# KiCad board vme-wren.kicad_pcb (continued)
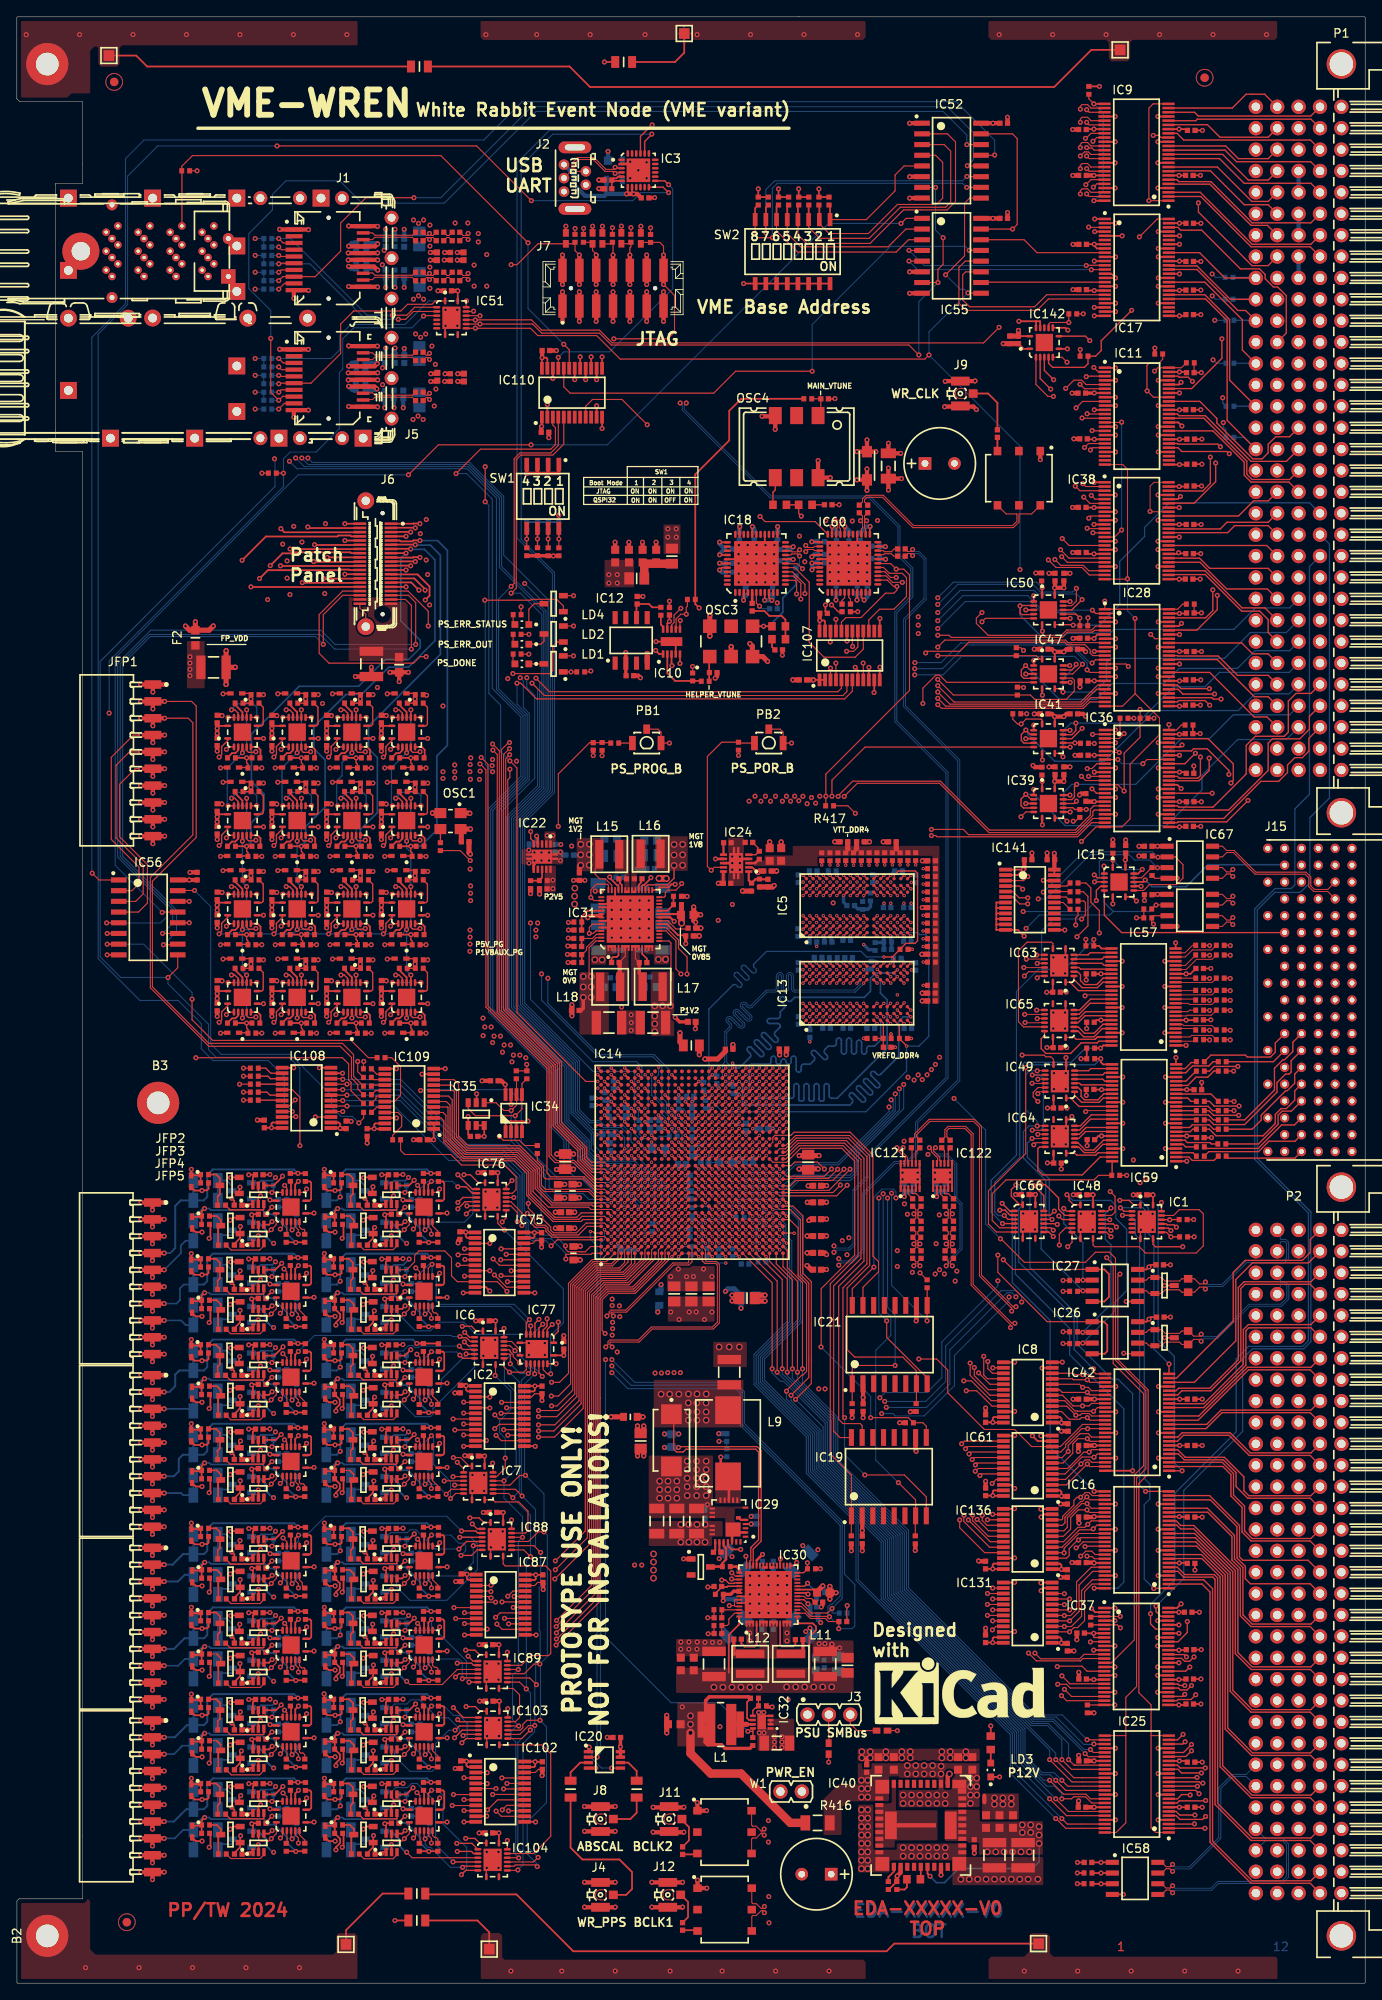
[diagram p0: board, top side]
## Routing (per net, layer and track width the routed paths; a pad name or vN(x,y) marks a point on that pad's centre or on a via; arc(x,y) is an arc through that point) (continued)
/FP_IO23: length 50.2
  Top Layer w0.2: R359.2 49.99,35.96 R360.2 ; v2(37.9,36.13) 37.9,36.44 38.35,36.9 38.35,37.48 R364.2 37.75,38.09 R368.1 ; R368.1 37.66,38.99 D56.1 ; R368.1 37.75,39.61 v2(38.1,39.97)
  Top Layer w0.5: JFP4.10 v2(16.1,32.79) ; JFP4.10 v2(17.5,33.69) ; JFP4.10 v2(14.75,33.69)
  L5 w0.2: v2(37.9,36.13) 36.93,35.17 29.7,35.17 28.87,34.34 24.9,34.34 24.25,33.69 v2(17.5,33.69)
  Bottom Layer w0.2: R366.2 R471.2 36.77,38.85 37.88,39.97 v2(38.1,39.97) 38.66,39.97 38.85,39.78 44.82,39.78 45.34,39.26 46.26,39.26 47.93,37.59 47.93,36.94 v2(48.93,35.94)
/FP_IO24: length 31.8
  Top Layer w0.2: R375.2 34.26,33.84 R376.2 ; v2(20.73,34.32) 20.72,34.31 D59.1 21.75,33.62 R381.1 R377.2
  Top Layer w0.5: JFP5.2 v2(14.75,29.19) ; JFP5.2 v2(16.1,28.29) ; JFP5.2 v2(17.5,29.19)
  Bottom Layer w0.2: R500.2 20.97,33.3 20.73,33.54 v2(20.73,34.32)
  Bottom Layer w0.23: v2(17.5,29.19) 18.75,29.19 20.21,30.64 R501.2 ; v2(33.39,33.84) 32.92,34.31 23.28,34.31 22.62,33.64 22.62,31.04 22.22,30.64 R501.2 ; R501.2 R500.2
/FP_IO25: length 30.3
  Top Layer w0.2: v2(22.3,29.67) 21.95,29.31 R382.1 ; R382.1 21.86,28.69 D60.1 ; R382.1 21.95,27.79 R378.2 ; R373.2 34.19,25.66 R374.2
  Top Layer w0.5: JFP5.3 v2(14.75,27.19) ; JFP5.3 v2(16.1,26.29) ; JFP5.3 v2(17.5,27.19)
  Bottom Layer w0.2: R472.2 R380.2 ; R380.2 19.66,28.19 18.65,27.19 v2(17.5,27.19) ; R380.2 20.97,28.55 22.08,29.67 v2(22.3,29.67) 22.86,29.67 23.05,29.48 29,29.48 29.43,29.05 30.37,29.05 32.13,27.29 32.13,26.64 v2(33.13,25.64)
/FP_IO26: length 51.8
  Top Layer w0.2: R436.2 R440.1 37.55,33.62 D73.1 36.52,34.33 v2(36.49,34.35) ; R435.2 50.06,33.84 R434.2
  Top Layer w0.5: JFP5.4 v2(17.5,25.19) ; JFP5.4 v2(14.75,25.19) ; JFP5.4 v2(16.1,24.29)
  L5 w0.2: v2(17.5,25.19) 19.5,25.19 21.41,27.1 21.41,27.65 23.25,29.49 29.6,29.49 29.95,29.14 34.25,29.14 35.03,29.91 35.37,29.91 36.5,31.04 v2(38.42,31.04)
  Bottom Layer w0.2: R506.2 36.77,34.09 36.51,34.35 v2(36.49,34.35)
  Bottom Layer w0.23: R506.2 R507.2 38.02,30.64 v2(38.42,31.04) 38.42,33.64 39.08,34.31 48.72,34.31 v2(49.19,33.84)
/FP_IO27: length 50.3
  Top Layer w0.2: D74.1 37.66,28.69 R441.1 ; R441.1 37.75,29.31 v2(38.1,29.67) ; R441.1 37.75,27.79 R437.2 38.37,27.16 38.37,26.62 37.9,26.14 v2(37.9,25.83) ; R432.2 49.99,25.66 R433.2
  Top Layer w0.5: JFP5.5 v2(16.1,22.29) ; JFP5.5 v2(17.5,23.19) ; JFP5.5 v2(14.75,23.19)
  L5 w0.2: v2(37.9,25.83) 36.93,24.86 21.83,24.86 20.16,23.19 v2(17.5,23.19)
  Bottom Layer w0.2: R475.2 R439.2 36.77,28.55 37.88,29.67 v2(38.1,29.67) 38.66,29.67 38.85,29.48 44.74,29.48 45.23,28.99 46.23,28.99 47.93,27.29 47.93,26.64 v2(48.93,25.64)
/FP_IO28: length 31.8
  Top Layer w0.2: v2(20.73,24.32) 20.72,24.31 D63.1 21.75,23.62 R412.1 R408.2 ; R407.2 34.26,23.84 R406.2
  Top Layer w0.5: JFP5.7 v2(17.5,19.19) ; JFP5.7 v2(14.75,19.19) ; JFP5.7 v2(16.1,18.29)
  Bottom Layer w0.2: v2(20.73,24.32) 20.73,23.54 20.97,23.3 R502.2
  Bottom Layer w0.23: R503.2 R502.2 ; R503.2 20.11,20.64 18.65,19.19 v2(17.5,19.19) ; R503.2 22.22,20.64 22.62,21.04 22.62,23.64 23.28,24.31 32.92,24.31 v2(33.39,23.84)
/FP_IO29: length 30.3
  Top Layer w0.2: R409.2 21.95,17.79 R413.1 ; R405.2 34.19,15.66 R404.2 ; D64.1 21.86,18.69 R413.1 ; R413.1 21.95,19.31 v2(22.3,19.67)
  Top Layer w0.5: JFP5.8 v2(17.5,17.19) ; JFP5.8 v2(16.1,16.29) ; JFP5.8 v2(14.75,17.19)
  Bottom Layer w0.2: v2(17.5,17.19) 18.75,17.19 19.76,18.19 R411.2 ; v2(33.13,15.64) 32.13,16.64 32.13,17.29 30.59,18.83 30.03,18.83 29.38,19.48 23.05,19.48 22.86,19.67 v2(22.3,19.67) 22.08,19.67 20.97,18.55 R411.2 ; R473.2 R411.2
/FP_IO30: length 51
  Top Layer w0.2: R421.2 50.06,23.84 R420.2 ; v2(36.53,24.32) 36.52,24.31 D69.1 37.55,23.62 R426.1 R422.2
  Top Layer w0.5: JFP5.9 v2(14.75,15.19) ; JFP5.9 v2(16.1,14.29) ; JFP5.9 v2(17.5,15.19)
  L5 w0.2: v2(38.42,21.04) 34.21,21.04 32.2,19.04 30.26,19.04 26.91,15.69 18,15.69 v2(17.5,15.19)
  Bottom Layer w0.2: R505.2 36.77,23.3 36.53,23.54 v2(36.53,24.32)
  Bottom Layer w0.23: v2(49.19,23.84) 48.72,24.31 39.08,24.31 38.42,23.64 v2(38.42,21.04) 38.02,20.64 R504.2 R505.2
/FP_IO31: length 50.3
  Top Layer w0.2: D70.1 37.66,18.69 R427.1 ; R427.1 37.75,19.31 v2(38.1,19.67) ; R427.1 37.75,17.79 R423.2 38.39,17.14 38.39,16.64 37.9,16.14 v2(37.9,15.83) ; R418.2 49.99,15.66 R419.2
  Top Layer w0.5: JFP5.10 v2(17.5,13.19) ; JFP5.10 v2(14.75,13.19) ; JFP5.10 v2(16.1,12.29)
  L5 w0.2: v2(17.5,13.19) 26.93,13.19 28.5,14.76 36.83,14.76 v2(37.9,15.83)
  Bottom Layer w0.2: R425.2 R474.2 36.77,18.55 37.88,19.67 v2(38.1,19.67) 38.66,19.67 38.85,19.48 45.08,19.48 45.52,19.04 46.18,19.04 47.93,17.29 47.93,16.64 v2(48.93,15.64)
/FP_LED0_DATA: length 74.8
  Top Layer w0.125: 39.99,108.94 39.99,109.2 ; 39.99,108.94 39.99,107.69 R453.2 ; 39.99,108.94 39.99,110.25 38.65,111.59 22.8,111.59 16.1,118.29 16.1,130.84 21.3,136.04 21.3,151.64 20.75,152.19 v2(17.55,152.19)
  Top Layer w0.5: JFP1.2 14.8,152.19 ; JFP1.2 v2(17.55,152.19) ; JFP1.2 v2(16.15,151.29)
  vias: v2(14.71,152.19)
/FP_LED1_DATA: length 73.2
  Top Layer w0.125: 17.6,150.24 v2(17.55,150.19) 20.35,150.19 20.9,149.64 20.9,136.34 15.85,131.29 15.85,118.19 22.8,111.24 38.4,111.24 39.74,109.9 39.74,107.45 40.49,106.71 40.49,106.17 R451.2
  Top Layer w0.5: JFP1.3 v2(17.55,150.19) ; JFP1.3 14.8,150.19 ; JFP1.3 v2(16.15,149.29)
  vias: v2(14.71,150.19)
/fpga/F_P0.BUNCHCLK1: length 144.8
  Top Layer w0.125: 135.03,133.79 135.09,133.72 IC67.2 137.58,133.72 138.49,132.81 138.49,131.2 137.72,130.44 134.51,130.44 133.82,129.74 IC15.9
  Top Layer w0.15: 75.4,94.27 IC14.J11
  L3 w0.125: v2(110.16,84.2) 110.37,83.99 112.57,83.99 113.51,84.92 113.51,85.98 115.71,88.19 115.71,96.24 118.56,99.09 118.56,124.63 121.9,127.97 v2(121.9,129.54) ; v1(75.39,94.26) 75.78,93.87 75.78,87.22 74.95,86.39 74.95,75.46 77.3,73.11 v2(77.3,72.49)
  L8 w0.125: v2(77.3,72.49) 78.6,73.79 103.07,73.79 105.07,75.79 107.92,75.79 110.16,78.02 v2(110.16,84.2)
  Bottom Layer w0.125: v2(121.9,129.54) 126.69,134.32 134.88,134.32 v2(135.51,133.69)
/fpga/F_P0.BUNCHCLK2: length 138.2
  Top Layer w0.125: IC67.3 134.78,132.45 133.57,131.24 IC15.12
  Top Layer w0.15: 74.6,95.07 IC14.H12
  L3 w0.125: v2(121.3,128.74) 121.3,127.72 118.31,124.73 118.31,99.19 115.46,96.34 115.46,88.54 112.71,85.79 110.21,85.79 109.58,85.16 v2(109.58,84.71) ; v2(76.55,72.44) 76.55,73.09 74.7,74.94 74.7,86.59 75,86.89 75,94.65 v1(74.59,95.06)
  L8 w0.125: v2(76.55,72.44) 78.15,74.04 102.97,74.04 104.97,76.04 107.82,76.04 109.61,77.83 109.61,84.68 v2(109.58,84.71)
  Bottom Layer w0.125: v2(135.46,132.44) 134.55,133.35 132.75,133.35 132.11,133.99 127.45,133.99 122.2,128.74 121.31,128.74 v2(121.3,128.74)
/fpga/F_P0.RS485_DATA0: length 57.5
  Top Layer w0.125: IC27.1 118.3,84.74 v2(117.15,85.89)
  Top Layer w0.2: IC27.1 129.15,84.74 129.7,84.19 129.7,81.49 129.15,80.93 IC27.4 ; IC14.W10 v1(84.18,93.47)
  L5 w0.125: v2(98.59,86.49) 99.89,87.79 105.82,87.79 106.32,87.28 112.77,87.28 114.16,85.89 v2(117.15,85.89)
  L8 w0.125: v1(84.18,93.47) 84.6,93.05 84.6,92.5 84.83,92.27 85.95,92.27 86.2,92.02 86.2,91.7 86.43,91.47 86.88,91.47 87,91.35 87,90.9 87.24,90.66 93.27,90.66 94.04,89.89 96.55,89.89 97.55,88.9 97.55,87.53 v2(98.59,86.49)
/fpga/F_P0.RS485_DATA1: length 59.4
  Top Layer w0.125: IC26.1 122.36,78.54 116.5,84.39 v2(116.5,86.44)
  Top Layer w0.2: IC14.Y10 v1(84.98,93.47) ; IC26.1 129.1,78.54 129.5,78.14 129.5,75.04 129.19,74.73 IC26.4
  L5 w0.125: v2(116.5,86.44) 114.46,86.44 112.58,88.32 98.99,88.32 v2(98.81,88.5)
  L8 w0.125: v1(84.98,93.47) 85.38,93.07 85.95,93.07 86.2,92.82 86.2,92.5 86.43,92.27 86.75,92.27 87,92.02 87,91.7 87.24,91.46 88.37,91.46 88.6,91.7 88.6,92.02 88.86,92.27 93.63,92.27 94.02,91.89 96.36,91.89 98.52,89.72 98.52,88.79 v2(98.81,88.5)
/fpga/F_P0.TTC_DATA0: length 141
  Top Layer w0.15: 71.4,94.27 IC14.D11
  Top Layer w0.2: 127.66,13.07 v2(128.76,13.07) 128.77,13.07 IC58.2
  L3 w0.125: v1(71.39,94.26) 71,93.87 71,92.5 71.26,92.25 71.55,92.25 71.8,92 71.8,91.7 72.06,91.45 72.35,91.45 72.58,91.22 72.58,86.64 73.95,85.26 73.95,73.54 68.55,68.14 68.55,54.44 73.35,49.64 73.36,49.64 v2(73.36,49.64)
  L5 w0.125: v2(73.36,49.64) 73.36,30.34 94.41,9.29 127.86,9.29 129.66,11.09 129.66,12.17 v2(128.76,13.07)
/fpga/F_P0.TTC_DATA1: length 136.5
  Top Layer w0.15: 71.4,93.47 IC14.D10
  Top Layer w0.2: IC58.3 128.77,11.8 v2(128.76,11.8) 127.66,11.8
  L3 w0.125: v2(74.21,49.64) 68.8,55.04 68.8,68.04 74.2,73.44 74.2,85.54 73.4,86.34 73.4,92.09 73.24,92.25 71.99,92.25 71.8,92.44 71.8,93.05 v1(71.39,93.46)
  L5 w0.125: v2(128.76,11.8) 126.75,9.79 94.56,9.79 74.21,30.14 v2(74.21,49.64)
/fpga/F_P0.TURNCLK1: length 140.8
  Top Layer w0.125: IC57.2 135.26,128.01 R124.2
  Top Layer w0.15: IC15.2 129.1,131.79 v2(129.1,132.64) ; 73,95.87 IC14.F13 ; 135.26,128.01 v2(135.3,128.01)
  L3 w0.125: v2(111.44,83.36) 112.94,83.36 113.82,84.25 113.82,85.75 115.96,87.89 115.96,96.14 118.81,98.99 118.81,124.19 v2(119.86,125.24) ; v1(72.99,95.86) 73.22,95.86 73.63,95.45 75.55,95.45 75.78,95.22 75.78,94.9 76.01,94.67 76.33,94.67 76.58,94.42 76.58,87.66 75.2,86.29 75.2,75.94 78.05,73.09 v2(78.05,72.49)
  L8 w0.125: v2(111.44,83.36) 111.44,78.95 108.02,75.54 105.17,75.54 103.17,73.54 79.1,73.54 v2(78.05,72.49)
  Bottom Layer w0.125: 130.21,127.24 129.8,126.83 121.45,126.83 v2(119.86,125.24)
  Bottom Layer w0.15: v2(135.3,128.01) 134.53,127.24 130.21,127.24 129.1,128.35 v2(129.1,132.64)
/fpga/F_P0.TURNCLK2: length 137.2
  Top Layer w0.125: R122.2 135.04,126.74 IC57.3
  Top Layer w0.15: 72.2,93.47 IC14.E10 ; R122.2 134.78,125.95 v2(134.99,125.74) ; IC15.5 128.7,130.24 128.2,129.74 v2(128.2,128.54)
  L3 w0.125: v2(119.51,127.24) 118.91,127.24 118.06,126.39 118.06,99.3 115.21,96.45 115.21,88.64 112.61,86.04 110.01,86.04 109.06,85.09 v2(109.06,84.2) ; v2(75.8,72.44) 75.8,73.49 74.45,74.84 74.45,86.49 74.18,86.76 74.18,92.51 73.64,93.05 72.6,93.05 v1(72.19,93.46)
  L5 w0.15: v2(134.99,125.74) 131,125.74 v2(128.2,128.54)
  L8 w0.125: v2(75.8,72.44) 77.1,73.74 77.65,74.29 102.86,74.29 104.86,76.29 107.71,76.29 109.06,77.64 v2(109.06,84.2)
  Bottom Layer w0.125: v2(128.2,128.54) 126.9,127.24 v2(119.51,127.24)
/fpga/fpga-config/JTAG_TCK: length 138
  Top Layer w0.125: R52.1 68.19,206.7 D4.1 68.37,205.72 68.8,205.29 J7.6
  Top Layer w0.2: IC14.R19 80.98,101.46
  Top Layer w0.5: v2(68.8,201.69) 68.8,201.69 J7.6 68.8,205.19 v2(68.8,205.19)
  L5 w0.125: v1(80.99,101.46) 81.37,101.09 81.37,100.44 81.19,100.26 79.24,100.26 78.69,100.81 77.99,100.81 77.8,101 v1(77.8,101.46) 77.56,101.46 77.15,101.87 76.83,101.87 76.59,102.11 76.59,105.86 75.79,106.66 75.79,108.7 74.89,109.6 65.84,109.6 57.23,118.21 57.23,138.32 62.3,143.38 62.3,165.5 58.05,169.74 58.05,183.18 67.43,192.55 67.43,200.31 v2(68.8,201.69)
  Bottom Layer w0.15: v1(77.8,101.46) 77.8,101.21 78.43,100.58 R190.2
/fpga/fpga-config/JTAG_TDI: length 138.5
  Top Layer w0.125: 72.8,204.89 J7.10 ; D6.1 72.74,206.53 R54.1 72.92,206.16 72.8,206.04 v2(72.8,205.19)
  Top Layer w0.15: IC14.R18 v1(80.98,100.66)
  Top Layer w0.5: v2(72.8,205.19) 72.8,205.19 J7.10 72.8,201.69 v2(72.8,201.69)
  L5 w0.125: v1(80.98,100.66) 80.58,101.06 78.44,101.06 78.2,101.3 78.2,101.75 78.08,101.87 77.63,101.87 77.38,102.13 77.38,106.46 76.7,107.14 76.7,109.14 75.9,109.94 66.15,109.94 57.48,118.61 57.48,138.02 62.55,143.08 62.55,165.74 58.55,169.73 58.55,176.19 70.1,187.74 70.1,202.19 70.4,202.49 72,202.49 v2(72.8,201.69)
/fpga/fpga-config/JTAG_TDO: length 131.1
  Top Layer w0.125: J7.8 70.8,206.63 R53.1 70.55,206.51 D5.1
  Top Layer w0.2: IC14.T21 81.78,103.06
  Top Layer w0.5: v2(70.8,201.69) 70.8,201.69 J7.8 70.8,205.19 v2(70.8,205.19)
  L5 w0.125: v1(81.79,103.06) 81.79,104.66 80.59,105.86 80.59,109.53 78.49,111.64 66.85,111.64 59.25,119.24 59.25,136.79 63.9,141.44 63.9,167.84 63.24,168.51 63.24,170.72 63.58,171.07 63.58,171.42 64.35,172.19 66.9,172.19 71.75,177.04 71.75,200.74 v2(70.8,201.69)
/fpga/fpga-config/JTAG_TMS: length 130.8
  Top Layer w0.125: v2(58.7,204.04) 59.4,204.04 61.88,206.52 D2.1 66.11,206.52 66.29,206.69 66.29,205.71 v2(66.8,205.19) ; v1(68.99,107.07) 67.56,107.07 59.4,115.23 59.4,144.28 v2(58.55,145.13) ; v2(55.62,175.89) v2(55.62,180.06)
  Top Layer w0.15: 78.6,103.06 IC14.N21
  Top Layer w0.5: v2(66.8,201.69) 66.8,201.69 J7.4 66.8,205.19 v2(66.8,205.19)
  L5 w0.125: v2(55.62,180.06) 57.1,181.54 57.1,202.44 v2(58.7,204.04)
  L10 w0.125: v1(78.59,103.06) 78.59,103.93 77.44,105.07 76.43,105.07 74.83,106.67 69.38,106.67 v1(68.99,107.07)
  Bottom Layer w0.125: v2(58.55,145.13) 57.46,146.21 57.46,151.72 56.06,153.13 56.06,175.45 v2(55.62,175.89)
/fpga/fpga-config/PS_DONE: length 68.2
  Top Layer w0.125: T2.1 65.81,155.69 v2(65.81,155.69) R5.1
  Top Layer w0.15: v1(77.8,103.06) IC14.M21
  L5 w0.125: v2(65.81,155.69) 64.76,154.64 64.76,141.15 60.26,136.65 60.26,121.88 v2(62.31,119.83)
  Bottom Layer w0.125: v2(62.31,119.83) 62.31,116.72 69.04,109.99 75.55,109.99 76.6,108.94 76.6,105.16 77.15,104.61 77.15,103.6 77.7,103.06 v1(77.8,103.06)
/fpga/fpga-config/PS_ERR_OUT: length 83
  Top Layer w0.125: v2(58.91,155.49) 63.3,155.49 63.65,155.84 63.65,158.74 64.15,159.24 T3.1
  Top Layer w0.15: 79.4,99.86 IC14.P17
  L5 w0.125: v2(58.91,155.49) 58.91,152.39 60.76,150.54 60.76,142.35 56.98,138.57 56.98,117.91 65.6,109.29 74.4,109.29 74.99,108.7 74.99,106.66 75.79,105.86 75.79,102.11 77.66,100.25 78.9,100.25 79.29,99.86 v1(79.39,99.86)
/fpga/fpga-config/PS_ERR_STATUS: length 90.2
  Top Layer w0.125: T4.1 64.9,163.51 64.12,164.3 61.13,164.3 61.02,164.2 55.58,164.2 v2(55.57,164.21)
  Top Layer w0.15: 77.8,102.26 IC14.M20
  L3 w0.125: v2(56.5,143.84) 56.5,143.04 53.2,139.74 53.2,133.21 53.63,132.78 54.05,132.78 54.35,132.49 54.35,131.9 53.28,130.83 53.28,122.3 67.2,108.38 67.2,106.89 67.83,106.27 v1(68.99,106.27)
  L10 w0.125: v1(77.79,102.26) 76.58,103.47 76.03,103.47 75.75,103.75 75.75,105.03 74.9,105.87 69.38,105.87 v1(68.99,106.27)
  Bottom Layer w0.125: v2(56.5,143.84) 56.47,143.84 55.63,144.68 55.63,164.15 v2(55.57,164.21)
/fpga/fpga-config/PS_INIT_B: length 1.9
  Top Layer w0.15: 79.4,103.06 IC14.P21
  Bottom Layer w0.125: R9.1 79.15,103.79 79.39,103.55 v1(79.39,103.06)
/fpga/fpga-config/PS_MODE0: length 89.5
  Top Layer w0.12: 64.36,171.46 64.36,170.41 ; 64.37,171.47 v3(64.37,171.47)
  Top Layer w0.15: SW1.8 v3(64.37,171.47) ; 79.4,101.46 IC14.P19
  L5 w0.125: v3(64.37,171.47) 64.35,171.46 64.35,141.34 59.9,136.89 59.9,120.05 60.64,119.31 v2(63.06,119.31)
  Bottom Layer w0.125: v1(79.39,101.46) 79,101.85 79,102.42 78.75,102.67 78.43,102.67 78.2,102.9 78.2,103.22 77.95,103.47 77.63,103.47 77.4,103.7 77.4,108.54 75.7,110.24 69.15,110.24 63.06,116.33 v2(63.06,119.31)
  Bottom Layer w0.2: R7.1 64.35,171.49 v3(64.37,171.47)
/fpga/fpga-config/PS_MODE1: length 96.8
  Top Layer w0.15: SW1.7 v3(63.1,171.48) 63.11,171.47 R161.2 ; 79.4,102.26 IC14.P20
  L5 w0.125: v3(63.1,171.48) 62.24,172.34 60,172.34 59.5,171.84 59.5,169.64 63.05,166.1 63.05,142.38 57.98,137.32 57.98,119.11 66.45,110.64 77.16,110.64 79.46,108.33 79.46,105.28 78.98,104.8 78.98,102.67 v1(79.39,102.26)
  Bottom Layer w0.2: v3(63.1,171.48) 63.12,171.5 R24.1
/fpga/fpga-config/PS_MODE2: length 94.7
  Top Layer w0.15: 61.83,172.74 v3(61.83,171.48) 61.83,171.47 R162.2
  Top Layer w0.2: IC14.R20 80.98,102.26
  L5 w0.125: v1(80.99,102.26) 79.82,103.43 79.82,108.5 78.73,109.6 77.34,110.99 66.45,110.99 58.25,119.19 58.25,137.09 63.3,142.13 63.3,166.75 60.08,169.97 60.08,171.71 60.35,171.99 61.31,171.99 v3(61.83,171.48)
  Bottom Layer w0.2: v3(61.83,171.48) 61.85,171.5 R118.1
/fpga/fpga-config/PS_MODE3: length 92.5
  Top Layer w0.12: v3(60.56,171.46) 60.56,171.46 R163.2
  Top Layer w0.15: SW1.5 v3(60.56,171.46)
  Top Layer w0.2: IC14.T20 81.78,102.26
  L5 w0.125: v1(81.79,102.26) 81.4,102.65 81.4,104.17 80.19,105.38 80.19,108.95 77.86,111.29 66.75,111.29 58.75,119.29 58.75,136.89 63.65,141.79 63.65,167.29 60.56,170.39 v3(60.56,171.46)
  Bottom Layer w0.2: R128.1 60.55,171.47 v3(60.56,171.46)
/fpga/fpga-config/PS_PROG_B: length 73.2
  Top Layer w0.125: v2(64.3,137.34) 64.3,143.57 68.02,147.29 C302.2 70.48,147.29 R191.1
  Top Layer w0.2: IC14.R17 80.98,99.86
  L3 w0.125: v2(61.85,125.88) 61.85,126.85 59.25,129.44 59.25,135.65 60.95,137.34 v2(64.3,137.34)
  L5 w0.125: v1(80.99,99.86) 81.14,99.86 81.56,100.27 81.95,100.27 82.18,100.5 82.18,108.3 78.1,112.38 67.6,112.38 63.78,116.2 63.78,120.41 61.16,123.03 61.16,125.24 61.79,125.88 v2(61.85,125.88)
/fpga/fpga-config/PS_SRST_B: length 140.2
  Top Layer w0.125: v2(70.9,195.24) 77.3,195.24 78.1,196.04 78.1,200.39 v2(76.8,201.69) ; D1.1 74.28,206.69 R46.1 76.36,206.69 76.8,206.24 J7.14
  Top Layer w0.15: 78.6,101.46 IC14.N19
  Top Layer w0.5: v2(76.8,205.19) 76.8,205.19 J7.14 76.8,201.69 v2(76.8,201.69)
  L5 w0.125: v1(78.59,101.46) 78.59,101.71 78.19,102.11 78.19,104.9 77.65,105.44 77.65,106.79 77.05,107.39 77.05,109.19 75.95,110.29 66.25,110.29 57.73,118.81 57.73,137.67 62.8,142.73 62.8,165.95 59.05,169.69 59.05,176.04 70.9,187.89 v2(70.9,195.24)
/fpga/fpga-hd-banks/F_SFP_LED_DATA: length 10.7
  Top Layer w0.125: R193.1 61.81,97.71 62.55,96.97 62.55,95.74 62.8,95.49 67.3,95.49 68.93,93.86 IC14.A10
/fpga/fpga-hp-banks/F_FP_LED0_DATA: length 29.3
  Top Layer w0.125: IC109.7 51.27,105.33 51.7,104.89 51.7,100.28 53.34,98.64 59.47,98.64 61.55,96.55 61.55,94.34 63.5,92.39 68.3,92.39 68.43,92.26 IC14.A8
/fpga/fpga-hp-banks/F_FP_LED1_DATA: length 30.9
  Top Layer w0.125: IC14.B8 69.8,92.65 68.86,92.65 68.85,92.64 63.61,92.64 61.8,94.44 61.8,96.66 59.57,98.89 53.45,98.89 51.95,100.38 51.95,105.89 51.87,105.98 IC109.8
/fpga/fpga-hp-banks/F_IOEXP_ALL_OE_N: length 49.8
  Top Layer w0.125: v2(35.45,102.84) IC108.3
  Top Layer w0.15: 76.2,91.07 IC14.K7
  L8 w0.125: v1(76.19,91.06) 76.58,91.45 76.58,92.82 76.35,93.05 76.03,93.05 75.78,93.3 75.78,93.62 75.55,93.85 69.91,93.85 67.98,95.78 59.36,95.78 56.96,98.19 40.1,98.19 v2(35.45,102.84)
/fpga/fpga-hp-banks/F_IOEXP_ALL_RST_N: length 43.1
  Top Layer w0.125: IC108.7 v2(39.2,105.44) ; IC14.A2 68.13,87.46 67.51,86.84 65.47,86.84 65.15,87.16 v2(65.15,87.54)
  Bottom Layer w0.125: v2(39.2,105.44) 45.4,105.44 52.3,98.54 57.65,98.54 60,96.19 60,91.32 62.51,88.81 63.88,88.81 v2(65.15,87.54)
/fpga/fpga-hp-banks/F_IOEXP_FPIO_D: length 29.6
  Top Layer w0.125: IC109.4 50.62,103.38 50.95,103.04 50.95,99.97 53.03,97.89 59.16,97.89 60.8,96.24 60.8,93.65 63.76,90.69 66.75,90.69 67.11,91.05 69.8,91.05 IC14.B6
/fpga/fpga-hp-banks/F_IOEXP_FPIO_RCLK: length 43.4
  Top Layer w0.125: IC14.A5 67.73,89.86 66.7,88.84 63.61,88.84 63.08,89.38 63.08,89.68 62.76,89.99 61.75,89.99 61.45,90.29 61.45,91.3 60.74,92.01 v2(60.74,92.58) ; IC108.9 v2(39.2,106.74)
  Bottom Layer w0.125: v2(60.74,92.58) 60.74,96.7 58.15,99.29 52.95,99.29 45.5,106.74 v2(39.2,106.74)
/fpga/fpga-hp-banks/F_IOEXP_FPIO_SCLK: length 44.2
  Top Layer w0.125: v2(38.71,107.31) 38.63,107.39 IC108.10 ; IC14.B5 69.8,90.25 67.61,90.25 66.45,89.09 63.73,89.09 63.4,89.42 63.4,89.79 v2(62.25,90.94)
  Bottom Layer w0.125: v2(38.71,107.31) 38.73,107.29 45.6,107.29 53.3,99.59 58.5,99.59 62.25,95.84 v2(62.25,90.94)
/fpga/fpga-hp-banks/F_IOEXP_GPIO_D: length 30.8
  Top Layer w0.125: IC109.6 51.02,104.68 51.45,104.24 51.45,100.17 53.24,98.39 59.36,98.39 61.3,96.45 61.3,93.98 63.14,92.14 67.9,92.14 68.18,91.86 70.59,91.86 IC14.C7
/fpga/fpga-hp-banks/F_IOEXP_GPIO_Q: length 120.3
  Top Layer w0.125: v2(52.16,179.24) 55.06,182.14 63.41,182.14 63.96,182.69 63.96,184.69 63.65,184.99 IC110.3
  Top Layer w0.15: 73.8,91.87 IC14.G8
  Bottom Layer w0.125: v1(73.79,91.86) 73.79,92.41 73.15,93.05 72.83,93.05 72.58,93.3 72.58,93.62 72.35,93.85 72.03,93.85 71.78,94.1 71.78,94.42 71.55,94.65 68.28,94.65 67.14,95.79 66.15,95.79 64.96,96.98 64.96,100.12 63.3,101.78 63.3,107.97 56.02,115.25 56.02,139.45 59.85,143.28 59.85,150.34 56.46,153.74 56.46,176.19 53.41,179.24 v2(52.16,179.24)
/fpga/fpga-hp-banks/F_IOEXP_GPIO_RCLK: length 28.1
  Top Layer w0.125: IC109.3 50.38,102.73 50.7,102.4 50.7,99.86 52.93,97.64 59.05,97.64 60.55,96.14 60.55,93.54 63.66,90.44 67,90.44 67.23,90.66 IC14.A6
/fpga/fpga-hp-banks/F_IOEXP_GPIO_SCLK: length 29.3
  Top Layer w0.125: IC109.5 51.17,104.03 51.2,103.99 51.2,100.07 53.14,98.14 59.26,98.14 61.05,96.35 61.05,93.75 63.81,90.99 ; IC14.A7 67.03,91.46 66.5,90.94 63.86,90.94 63.81,90.99 ; 63.81,90.99 63.81,90.99
/fpga/fpga-hp-banks/F_IOEXP_HWBYTE1_D: length 78.5
  Top Layer w0.125: v2(119.45,129.89) 119.08,130.26 IC141.4
  Top Layer w0.15: IC14.V9 83.38,92.67
  L3 w0.125: v2(119.45,129.89) 118.25,129.89 117.06,128.7 117.06,99.71 114.21,96.86 114.21,92.86 110.57,89.21 93.46,89.21 92.52,88.27 88.03,88.27 87.8,88.5 87.8,88.95 87.68,89.07 86.43,89.07 86.2,89.3 86.2,89.62 85.95,89.87 85.63,89.87 85.4,90.1 85.4,90.42 85.15,90.67 84.83,90.67 84.6,90.9 84.6,92.02 84.35,92.27 83.78,92.27 v1(83.39,92.66)
/fpga/fpga-hp-banks/F_IOEXP_HWBYTE1_RCLK: length 119.1
  Top Layer w0.125: v2(120.05,128.86) 119.03,128.86 118.29,129.61 IC141.5
  Top Layer w0.15: 77,91.07 IC14.L7
  L3 w0.125: v2(120.05,128.86) 120.03,128.84 119.15,128.84 117.56,127.25 117.56,99.5 114.71,96.65 114.71,88.85 112.4,86.54 109.8,86.54 108.15,84.89 108.15,81.98 106.04,79.86 106.04,72.27 104.81,71.05 95.72,71.05 v2(95.23,70.56) ; v1(76.99,91.06) 77.38,90.67 77.38,87.51 75.45,85.59 75.45,76.38 78.8,73.03 v2(78.8,72.49)
  L5 w0.125: v2(78.8,72.49) 79.45,71.84 83.77,71.84 86.9,68.71 93.38,68.71 v2(95.23,70.56)
/fpga/fpga-hp-banks/F_IOEXP_HWBYTE2_D: length 74.4
  Top Layer w0.125: v2(120.05,131.39) 119.58,130.91 IC141.3
  Top Layer w0.2: IC14.AE8 88.98,91.87
  L3 w0.125: v2(120.05,131.39) 120.05,129.8 119.6,129.34 119.25,129.34 117.31,127.4 117.31,99.61 114.46,96.76 114.46,92.75 110.67,88.96 106.95,88.96 106.01,88.01 98.18,88.01 v2(98.03,88.16)
  L8 w0.125: v2(98.03,88.16) 98.03,89.54 96.12,91.45 89.4,91.45 v1(88.99,91.86)
/fpga/fpga-hp-banks/F_IOEXP_HWBYTE2_RCLK: length 124.5
  Top Layer w0.125: v2(69.86,77.14) 69.51,77.49 69.51,81.13 70.29,81.91 73.45,81.91 77.39,85.86 IC14.L1 ; IC141.6 118.29,128.96 119.11,128.14 v2(120.05,128.14)
  L3 w0.125: v2(95.98,70.56) 104.68,70.56 106.32,72.2 106.32,79.79 108.4,81.88 108.4,84.79 109.9,86.29 112.51,86.29 114.96,88.74 114.96,96.55 117.81,99.4 117.81,126.49 119.46,128.14 v2(120.05,128.14)
  L5 w0.125: v2(69.86,77.14) 69.46,76.73 69.46,75.34 69.81,74.98 70.41,74.98 73.8,71.59 83.66,71.59 86.79,68.46 93.88,68.46 v2(95.98,70.56)
/fpga/fpga-hp-banks/F_IOEXP_VME_D: length 43.6
  Top Layer w0.125: v2(60.63,91.39) 61.12,90.9 61.12,90.18 61.55,89.74 62.66,89.74 62.83,89.57 62.83,89.27 63.52,88.58 68.88,88.58 68.95,88.65 69.8,88.65 IC14.B3 ; IC108.8 v2(38.7,106.09)